# Allegro board meta_carrier_lay_rev1.brd (continued)
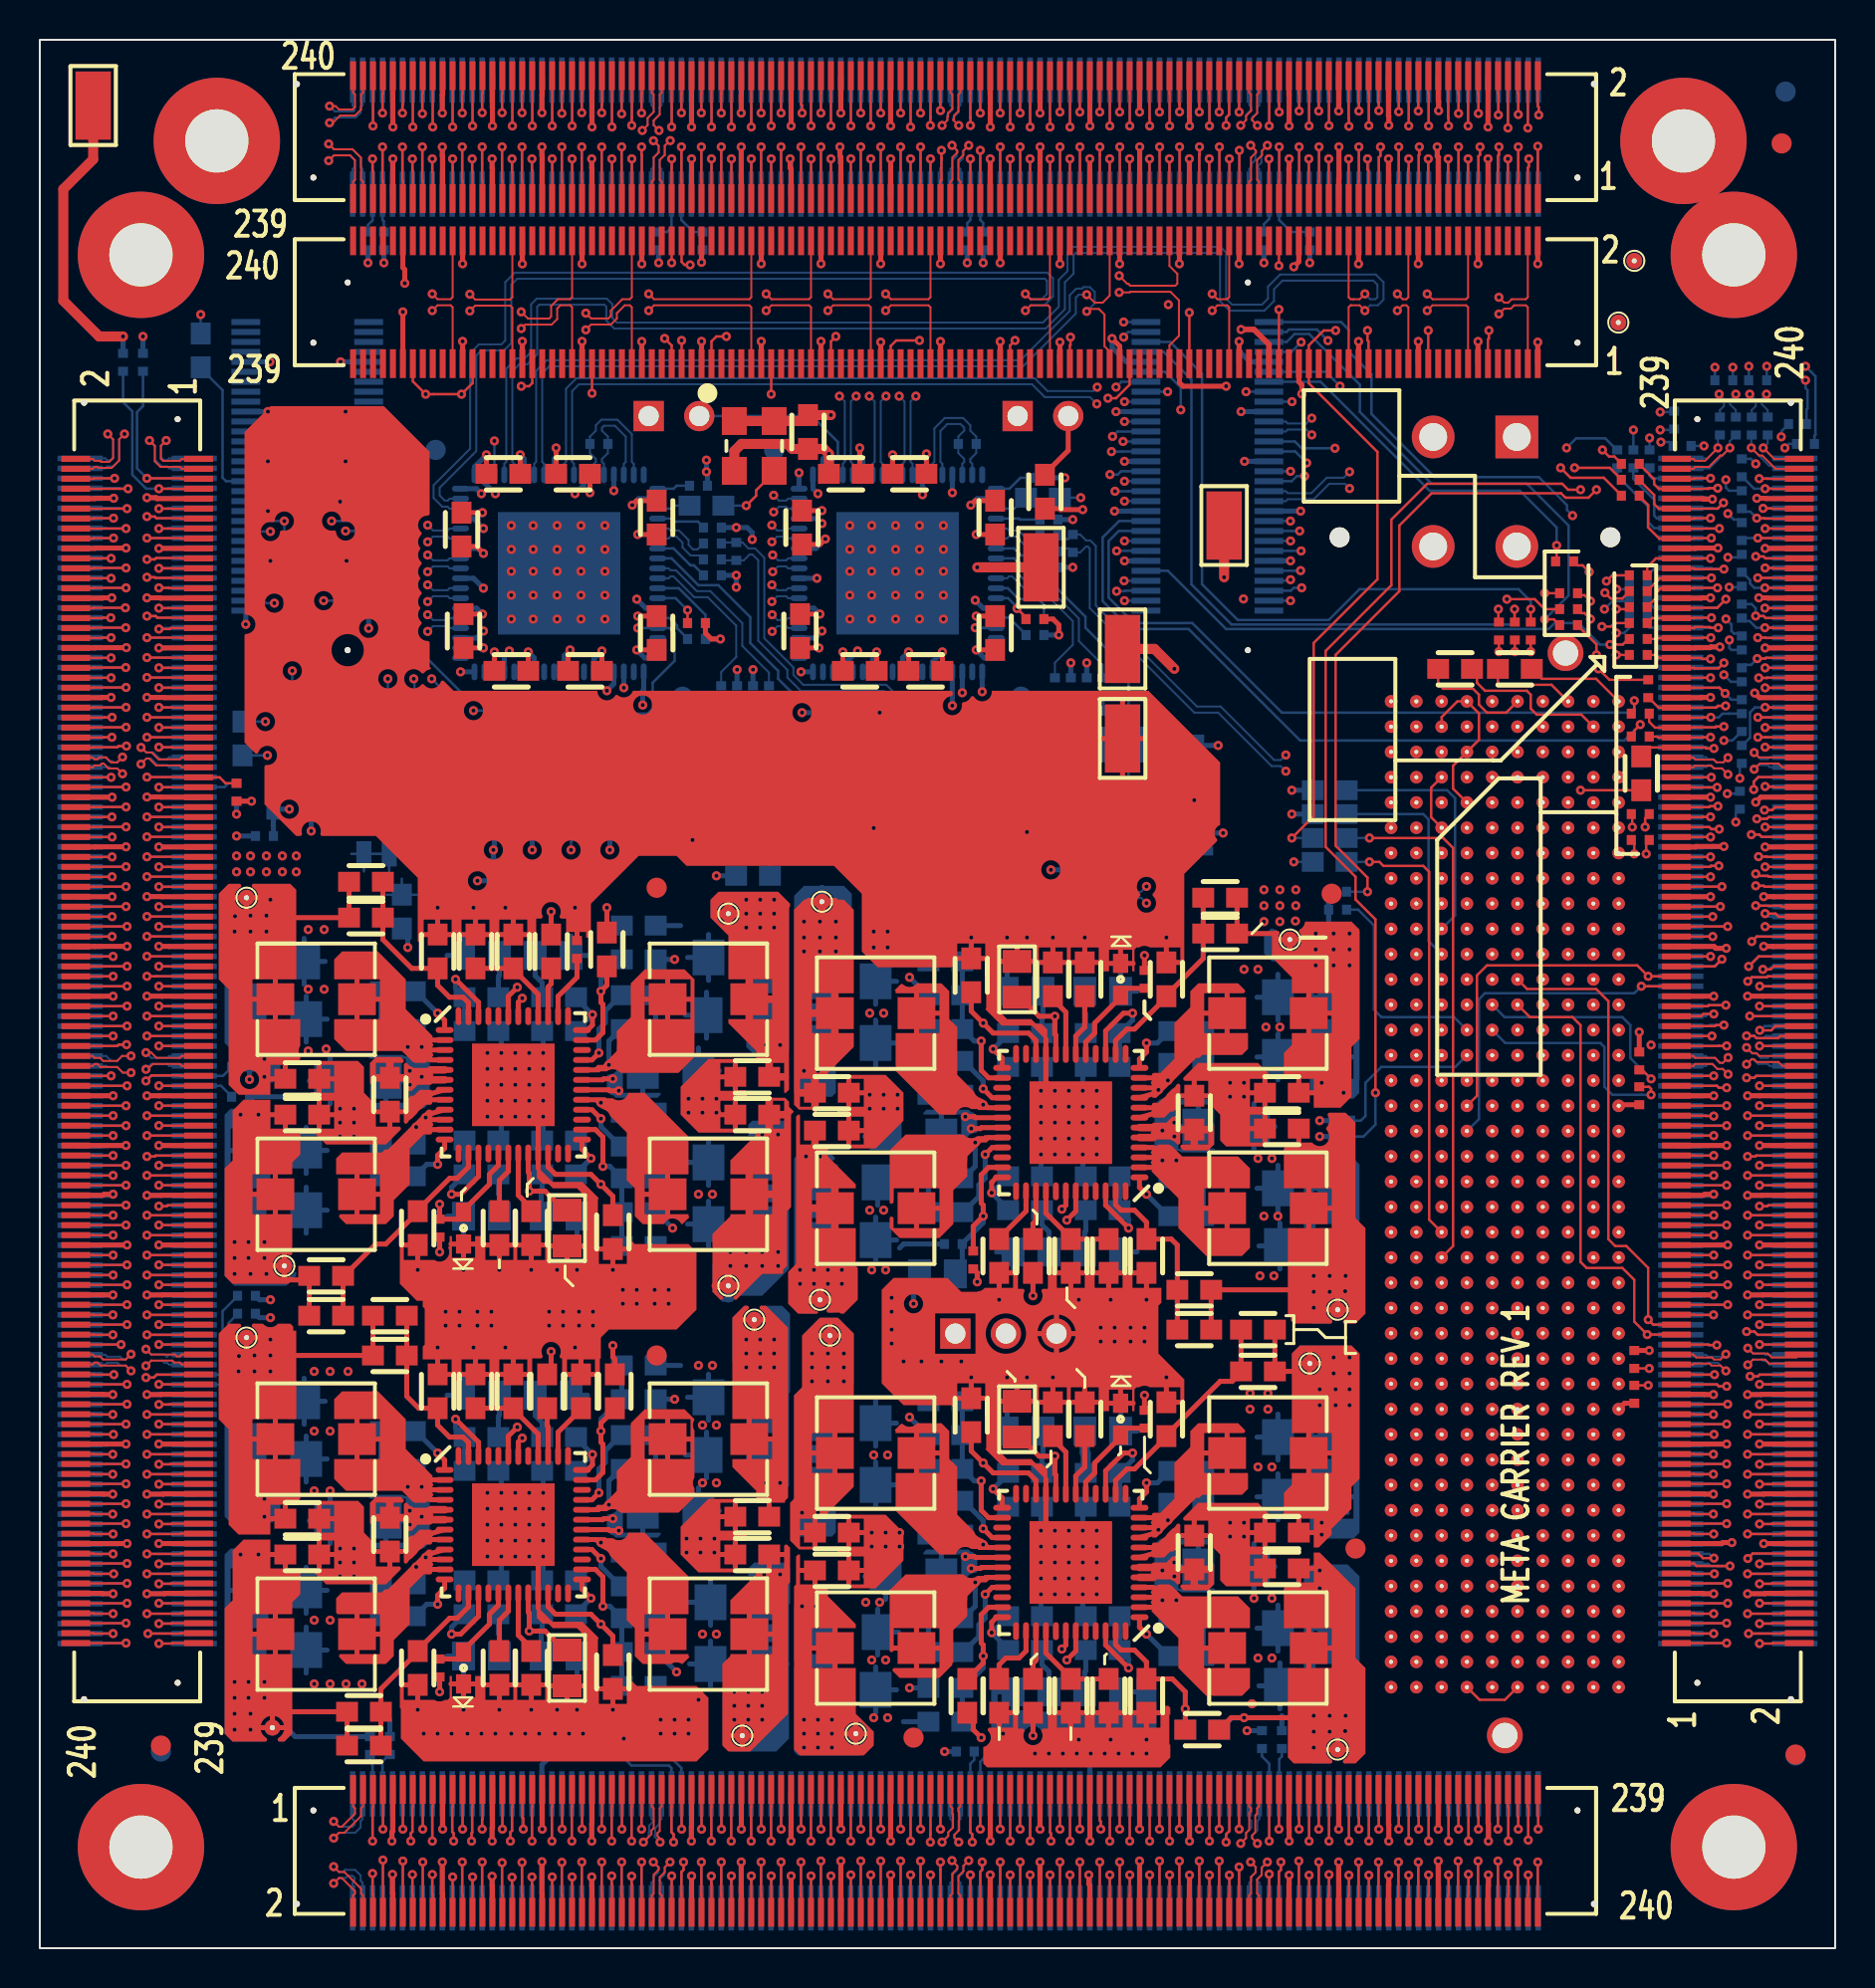
[diagram p0: board, top side]
## Nets (continued)
N9103313: P1.J39(VIO_B_M2C) R4.2
N9103357: P1.K40(VIO_B_M2C) R2.2
N9135133: R18.2 U3.38(I2CADDR)
N9393424: C113.2 R80.1 R81.1 U3.26(VFB3)
N9393624: C119.2 R22.1 R79.1 U3.35(VFB4)
N9396494: R8.2 U2.38(I2CADDR)
N9396754: C22.2 R99.1 R100.1 U2.35(VFB4)
N9397654: R37.2 U5.38(I2CADDR)
N9398753: R31.2 U4.38(I2CADDR)
N9406213: J14.28 R142.2
N9407357: P1.C18(LA14_P) R48.2
N9411664: P1.C31(SDA) R46.2
N9411668: P1.C30(SCL) R47.2
N9564956: C154.2 R103.1 R104.1 U2.26(VFB3)
N9566934: C55.1 C116.1 C128.1 C129.1 L11.2 R85.2 TP12.1(TP)
N9566986: C116.2 R84.1 R85.1 U5.26(VFB3)
N9567341: C62.1 C67.1 C124.1 C130.1 L15.2 R88.2 TP15.1(TP)
N9567389: C67.2 R88.1 R89.1 U5.35(VFB4)
N9567588: C60.1 C133.1 C134.1 C157.1 L14.2 R109.2 TP16.1(TP)
N9567636: C157.2 R109.1 R110.1 U4.26(VFB3)
N9567837: C48.1 C53.1 C139.1 C141.1 L10.2 R106.2 TP11.1(TP)
N9567885: C48.2 R105.1 R106.1 U4.35(VFB4)
N9607504: P1.C19(LA14_N) R49.2
N9610290: R125.2 U12.5 U12.6 U12.7 U12.8
N90768711: J8.3(03) R158.2
N90768712: J8.5(05) R150.2
N90768713: J8.7(07) R152.2
N90768714: J8.9(09) R159.2
N90768716: J8.13 R147.2
N90768717: J8.15 R154.2
N90768718: J8.17 R155.2
N90768719: J8.19 R157.2
N93844651: R119.2 U11.3(D)
N93890641: R134.2 U13.3(D)
N96073781: R114.2 U9.3(D)
N907687111: J8.23 R162.2
N907687112: J8.25 R164.2
N907687113: J8.27 R166.2
N907687114: J8.29 R168.2
N907687116: J8.33 R170.2
N907687117: J8.35 R172.2
N907687118: J8.37 R173.2
N907687119: J8.39 R176.2
N907687121: J8.43 R178.2
N907687122: J8.45 R180.2
N907687123: J8.47 R182.2
N907687124: J8.49 R184.2
N907687126: J8.53 R186.2
N907687127: J8.55 R188.2
N907687128: J8.57 R190.2
N907687129: J8.59 R192.2
N907687131: J8.4(04) R145.1
N907687132: J8.6(06) R146.1
N907687133: J8.8(08) R151.1
N907687134: J8.10 R153.1
N907687136: J8.14 R160.1
N907687137: J8.16 R148.1
N907687138: J8.18 R149.1
N907687139: J8.20 R156.1
N907687141: J8.24 R161.1
N907687142: J8.26 R163.1
N907687143: J8.28 R165.1
N907687144: J8.30 R167.1
N907687146: J8.34 R169.1
N907687147: J8.36 R171.1
N907687148: J8.38 R174.1
N907687149: J8.40 R175.1
N907687151: J8.44 R177.1
N907687152: J8.46 R179.1
N907687153: J8.48 R181.1
N907687154: J8.50 R183.1
N907687156: J8.54 R185.1
N907687157: J8.56 R187.1
N907687158: J8.58 R189.1
N907687159: J8.60 R191.1

Pads without a net: J2 56 57 58 59 60 113 114 115 116 117 118 119 120 177 178 179 180 233 234 235 236 237 238 239 240; J8 1 2; J14 5 6 7 8 10 23 24 25 26 27 29 30 33 34 35 36 37 38 39 40 43 44 45 46 47 48 49 50 53 54 55 56 57 58 59 60; P1 A2 A3 A6 A7 A10 A11 A14 A15 A18 A19 A22 A23 A26 A27 A30 A31 A34 A35 A38 A39 B1 B4 B5 B8 B9 B12 B13 B16 B17 B20 B21 B24 B25 B28 B29 B32 B33 B36 B37 B40 C2 C3 C6 C7 C34 D4 D5 D17 D18 D29 D30 D31 D33 D34 D35 E12 E13 E15 E16 E18 E19 E30 E31 E33 E34 E36 E37 F13 F14 F16 F17 F19 F20 F31 F32 F34 F35 F37 F38 G2 G3 G30 G31 G33 G34 G36 G37 H4 H5 H19 H20 H34 H35 H37 H38 J2 J3 J15 J16 J18 J19 J21 J22 J33 J34 J36 J37 K4 K5 K16 K17 K19 K20 K22 K23 K34 K35 K37 K38; U2 13 16 23 24 27 34 37 41 44 45 48; U3 13 16 23 24 27 34 37 41 44 45 48; U4 13 16 23 24 27 34 37 41 44 45 48; U5 13 16 23 24 27 34 37 41 44 45 48; U7 16 17 20 23 25 26 28 29 31 32 34 35 37 38 72; U10 16 17 20 23 25 26 28 29 31 32 34 35 37 38 72

## Via types
v1: diameter 0.46, hole 0.203, TOP to BOTTOM, 2055 vias

## Routing (per net, layer and track width the routed paths; a pad name or vN(x,y) marks a point on that pad's centre or on a via; arc(x,y) is an arc through that point)
GND: length 3212.5
  TOP w0.254: J2.145 v1(39.23,80.73) ; v1(52.74,5.38) 52.74,6.09 52.73,6.1 J5.149 ; J5.69 32.73,6.11 32.72,6.1 v1(32.72,5.38) ; 28.78,12.23 C66.2 ; C66.2 29.53,13.03 ; C66.2 27.73,13.03 ; 62.73,87.91 62.73,89.43 62.75,89.45 v1(62.75,89.91) ; U3.7 55.93,41.93 ; TP19.1 55.52,60.78 ; TP19.1 54.38,62.75 ; TP19.1 54.38,58.81 ; TP19.1 53.24,60.78 ; C54.2 14.83,21.58 ; C54.2 14.03,20.83 ; C54.2 14.03,22.33 ; J5.50 27.73,3.11 27.72,3.12 v1(27.72,3.58) ; J5.70 v1(32.73,3.63) ; J3.229 6.28,17.83 6.26,17.81 v1(5.38,17.81) ; J3.10 2.76,72.83 2.78,72.85 v1(3.71,72.85) ; C23.2 22.63,50.93 ; C23.2 21.88,51.73 ; C23.2 21.13,50.93 ; C57.2 18.33,19.93 ; C57.2 17.58,19.13 ; C57.2 16.83,19.93 ; v1(67.75,3.66) 67.75,3.21 67.73,3.19 J5.210 ; 23.08,34.53 C38.2 ; C38.2 22.33,35.33 ; C38.2 23.83,35.33 ; C13.2 v1(39.13,65.33) ; C47.2 22.63,28.83 ; C47.2 21.13,28.83 ; C47.2 21.88,29.63 ; J1.232 v1(17.73,91.5) ; 48.18,11.03 R37.1 48.93,11.83 ; v1(57.74,5.38) 57.74,6.15 57.73,6.16 J5.169 ; 55.58,11.03 R40.2 ; R40.2 54.83,11.83 ; R40.2 56.33,11.83 ; C30.2 40.63,43.73 ; C30.2 40.63,42.23 ; C30.2 41.43,42.98 ; J2.194 v1(27.23,84.63) ; 19.63,42.93 U2.7 ; J4.132 86.53,47.83 86.52,47.83 v1(85.77,47.83) ; 17.73,87.91 v1(17.73,89.91) ; v1(84.07,37.88) 83.61,37.88 83.56,37.83 J4.91 ; 51.06,29.87 J10.3 ; J10.3 50.05,30.88 ; J10.3 51.06,31.89 ; J10.3 52.07,30.88 ; J2.86 v1(54.23,84.63) ; J2.74 v1(57.23,84.63) ; J5.89 37.73,6.15 37.73,6.14 v1(37.73,5.38) ; R20.1 52.53,33.93 ; R20.1 51.78,33.13 ; R20.1 51.03,33.93 ; J5.190 62.73,3.2 62.75,3.21 v1(62.75,3.67) ; J5.110 v1(42.73,3.68) ; J5.229 72.73,6.28 72.75,6.26 v1(72.75,5.38) ; J3.49 6.27,62.83 6.25,62.84 v1(5.38,62.84) ; J3.190 3.2,27.83 3.21,27.82 v1(3.67,27.82) ; J2.73 57.23,78.66 57.41,78.48 v1(59.58,78.48) ; J5.30 22.73,3.14 22.72,3.16 v1(22.72,3.61) ; J2.181 v1(30.23,80.73) ; C58.2 58.73,20.73 ; C58.2 57.23,20.73 ; C58.2 57.98,21.53 ; 26.43,28.83 R31.1 ; R31.1 27.18,29.63 ; R31.1 27.93,28.83 ; C55.2 40.63,21.63 ; C55.2 40.63,20.13 ; C55.2 41.43,20.88 ; C50.2 49.08,28.31 ; C50.2 50.06,27.48 ; C50.2 48.1,27.48 ; C9.2 v1(22.23,72.13) ; 25.5,13.18 C65.2 ; C65.2 26.48,12.35 ; C65.2 27.46,13.18 ; C27.2 52.48,50.33 ; C27.2 53.23,49.53 ; C27.2 51.73,49.53 ; C24.2 47.53,49.73 ; C24.2 46.78,50.53 ; C24.2 46.03,49.73 ; J2.193 v1(27.23,80.73) ; 61.53,18.33 C61.2 ; C61.2 60.73,19.08 ; C61.2 61.53,19.83 ; J1.32 67.73,92.06 67.75,92.05 v1(67.75,91.59) ; v1(37.68,89.91) 37.68,89.45 37.73,89.4 37.73,87.91 ; J2.217 v1(21.23,80.73) ; 20.65,13.28 CR4.1 ; CR4.1 21.91,13.28 ; CR4.1 21.28,12.55 ; 61.53,40.43 C36.2 ; C36.2 61.53,41.93 ; C36.2 60.73,41.18 ; v1(18.23,82.21) J2.229 ; J4.171 v1(83.91,57.83) ; 42.73,87.91 v1(42.73,89.91) ; v1(47.73,91.5) 47.73,93.13 47.73,93.13 J1.112 ; J2.170 v1(33.23,84.7) ; J5.209 67.73,6.22 67.75,6.2 v1(67.75,5.38) ; J5.49 27.73,6.27 27.72,6.25 v1(27.72,5.38) ; P1.K12 79.59,27.38 R32.1 ; J2.146 v1(39.23,84.63) ; 56.58,28.23 R34.2 57.33,27.43 ; 16.83,42.03 C32.2 ; C32.2 17.58,41.23 ; C32.2 18.33,42.03 ; J3.230 3.13,17.83 3.15,17.81 v1(3.68,17.81) ; R15.1 79.35,42.38 P1.K24 ; J3.30 3.14,67.83 3.16,67.85 v1(3.61,67.85) ; C18.2 v1(40.33,65.13) ; v1(62.75,5.38) 62.75,6.07 62.73,6.09 J5.189 ; CR1.1 54.28,50.21 ; CR1.1 53.65,49.48 ; CR1.1 54.91,49.48 ; J2.50 63.23,84.73 v1(62.98,84.48) ; R10.1 23.78,51.73 ; R10.1 23.03,50.93 ; R10.1 24.53,50.93 ; v1(3.68,37.88) 3.22,37.88 3.17,37.83 J3.150 ; v1(84.06,32.82) 83.6,32.82 83.59,32.83 J4.71 ; C15.2 v1(47.03,66.93) ; v1(47.73,5.38) 47.73,5.99 47.73,5.99 J5.129 ; J3.129 5.99,42.83 5.99,42.83 v1(5.38,42.83) ; C37.2 41.43,41.08 ; C37.2 40.63,40.33 ; C37.2 40.63,41.83 ; 52.93,33.93 C42.2 ; C42.2 54.43,33.93 ; C42.2 53.68,33.13 ; v1(42.73,5.38) 42.73,6.14 42.73,6.14 J5.109 ; v1(27.72,89.91) 27.72,89.45 27.73,89.43 27.73,87.91 ; C64.2 25.43,13.23 ; C64.2 23.93,13.23 ; C64.2 24.68,12.43 ; J5.170 57.73,3.2 57.74,3.21 v1(57.74,3.67) ; C14.2 v1(30.03,66.93) ; 14.03,41.13 C34.2 ; C34.2 14.83,41.88 ; C34.2 14.03,42.63 ; J5.10 17.73,2.76 17.71,2.78 v1(17.71,3.71) ; 22.33,13.23 C63.2 ; C63.2 23.08,12.43 ; C63.2 23.83,13.23 ; v1(32.73,89.91) 32.73,87.91 ; 18.98,34.53 R16.2 18.23,35.33 ; v1(24.58,19.68) 25.03,19.23 U4.21 25.03,17.13 ; 69.23,79.61 v1(69.23,80.73) ; J3.89 6.15,52.83 6.14,52.84 v1(5.38,52.84) ; 19.63,42.63 U2.8 ; J4.12 86.67,17.83 86.65,17.81 v1(85.77,17.81) ; C19.2 v1(45.33,65.13) ; 51.78,11.03 R39.1 ; R39.1 51.03,11.83 ; R39.1 52.53,11.83 ; 14.03,42.93 C29.2 ; C29.2 14.83,43.68 ; C29.2 14.03,44.43 ; J2.206 v1(24.23,84.63) ; J4.11 83.52,17.83 83.54,17.81 v1(84.07,17.81) ; v1(3.67,32.82) 3.21,32.82 3.2,32.83 J3.170 ; J4.51 83.59,27.83 83.6,27.82 v1(84.06,27.82) ; J2.133 v1(42.23,80.69) ; J2.134 v1(42.23,84.63) ; 25.03,39.23 U2.21 25.03,41.33 v1(24.58,41.78) ; v1(22.28,65.33) 22.28,65.33 C12.2 ; v1(85.77,27.82) 86.46,27.82 86.48,27.83 J4.52 ; J1.172 v1(32.73,91.5) ; C5.2 v1(44.53,75.08) ; 34.93,19.03 C60.2 ; C60.2 34.93,20.53 ; C60.2 34.13,19.78 ; 20.65,35.38 CR2.1 ; CR2.1 21.28,34.65 ; CR2.1 21.91,35.38 ; J4.192 86.37,62.83 86.13,63.07 86.13,63.06 v1(86.12,63.06) ; 14.03,19.03 C59.2 ; C59.2 14.83,19.78 ; C59.2 14.03,20.53 ; J4.111 v1(84.07,42.83) ; 50.53,23.53 U5.21 50.53,21.43 v1(50.98,20.98) ; R29.1 23.78,29.63 ; R29.1 24.53,28.83 ; R29.1 23.03,28.83 ; J2.109 v1(48.23,80.73) ; J2.169 v1(33.23,80.73) ; 47.73,87.91 v1(47.73,89.91) ; J1.212 v1(22.73,91.55) ; v1(27.73,91.5) J1.192 ; 46.03,27.63 C49.2 ; C49.2 46.78,28.43 ; C49.2 47.83,27.63 ; 25.5,35.28 C40.2 ; C40.2 27.46,35.28 ; C40.2 26.48,34.45 ; C62.2 40.63,19.73 ; C62.2 40.63,18.23 ; C62.2 41.43,18.98 ; J3.110 v1(3.68,47.83) ; J4.131 v1(84.07,47.83) ; J2.13 v1(72.23,80.73) ; J3.210 3.19,22.83 3.21,22.81 v1(3.66,22.81) ; C26.2 51.63,49.53 ; C26.2 50.88,50.33 ; C26.2 50.13,49.53 ; J2.157 v1(36.23,80.73) ; 53.65,27.38 CR3.1 ; CR3.1 54.91,27.38 ; CR3.1 54.28,28.11 ; J5.90 v1(37.73,3.63) ; v1(86.23,72.85) 86.69,72.85 86.71,72.83 J4.232 ; J2.182 v1(30.23,84.63) ; J1.152 v1(37.73,91.55) ; J4.112 86.38,42.83 86.38,42.83 v1(85.77,42.83) ; 52.93,11.83 C68.2 ; C68.2 53.68,11.03 ; C68.2 54.43,11.83 ; 48.93,33.93 R18.1 48.18,33.13 ; v1(52.68,3.68) 52.68,3.22 52.73,3.17 J5.150 ; J2.218 v1(21.23,84.63) ; J5.9 17.73,5.89 17.68,5.84 v1(17.68,5.38) ; J1.92 52.73,92.02 52.74,92.01 v1(52.74,91.55) ; 48.1,49.58 C25.2 ; C25.2 49.08,50.41 ; C25.2 50.06,49.58 ; J1.132 42.73,93.13 42.73,93.13 v1(42.73,91.55) ; R9.2 20.73,50.93 ; R9.2 19.23,50.93 ; R9.2 19.98,51.73 ; 24.68,34.53 C39.2 ; C39.2 23.93,35.33 ; C39.2 25.43,35.33 ; v1(57.74,91.55) 57.74,92.01 57.73,92.02 J1.72 ; 27.73,35.13 C41.2 ; C41.2 28.78,34.33 ; C41.2 29.53,35.13 ; J2.97 51.23,79.63 51.22,79.64 51.22,80.02 51.23,80.03 v1(51.23,80.69) ; 55.58,33.13 R21.2 54.83,33.93 ; 19.98,29.63 R28.2 20.73,28.83 ; v1(57.73,89.91) 57.73,87.91 ; J2.38 v1(66.23,84.63) ; J2.121 v1(45.23,80.73) ; C16.2 v1(22.83,65.13) ; v1(85.77,22.81) 86.59,22.81 86.61,22.83 J4.32 ; J2.61 v1(60.23,80.73) ; C52.2 53.23,27.43 ; C52.2 52.48,28.23 ; C52.2 51.73,27.43 ; C10.2 50.89,66.78 51.18,66.49 v1(51.18,65.98) ; J2.230 18.23,84.44 18.33,84.34 v1(18.33,83.65) ; J2.122 v1(45.23,84.63) ; J4.211 83.44,67.83 83.45,67.85 v1(83.91,67.85) ; J2.62 v1(60.23,84.63) ; v1(5.38,37.82) 6.09,37.82 6.1,37.83 J3.149 ; C17.2 v1(28.23,65.18) ; J3.130 v1(3.68,42.83) ; C6.2 v1(30.03,71.03) ; J3.90 v1(3.63,52.83) ; C35.2 34.93,42.63 ; C35.2 34.93,41.13 ; C35.2 34.13,41.88 ; J3.70 v1(3.63,57.83) ; v1(84,72.8) 83.55,72.8 83.52,72.83 J4.231 ; J2.98 v1(51.23,84.63) ; J2.2 v1(75.23,84.63) ; v1(53.85,80.88) 54.23,80.49 J2.85 ; 57.33,49.53 R13.2 56.58,50.33 ; C51.2 50.88,28.23 ; C51.2 50.13,27.43 ; C51.2 51.63,27.43 ; v1(5.38,22.81) 6.2,22.81 6.22,22.83 J3.209 ; J2.14 v1(72.23,84.63) ; C28.2 34.93,44.53 ; C28.2 34.93,43.03 ; C28.2 34.13,43.78 ; J3.9 5.89,72.83 5.84,72.88 v1(5.38,72.88) ; v1(86.18,57.58) 86.43,57.83 J4.172 ; J4.212 86.81,67.83 86.79,67.85 v1(86.33,67.85) ; 67.73,87.91 v1(67.73,89.91) ; 60.73,42.98 C31.2 ; C31.2 61.53,43.73 ; C31.2 61.53,42.23 ; J2.37 v1(66.23,80.73) ; C33.2 57.98,43.63 ; C33.2 58.73,42.83 ; C33.2 57.23,42.83 ; 22.73,87.91 22.73,89.43 22.72,89.45 v1(22.72,89.91) ; C56.2 61.53,21.63 ; C56.2 61.53,20.13 ; C56.2 60.73,20.88 ; J2.110 v1(48.23,84.68) ; v1(34.18,65.78) 33.72,65.78 33.43,66.07 C11.2 ; J4.191 83.44,62.83 83.45,62.84 v1(83.91,62.84) ; v1(84.05,22.81) 83.6,22.81 83.58,22.83 J4.31 ; v1(72.75,3.68) 72.75,3.15 72.73,3.13 J5.230 ; U3.8 55.93,42.23 ; v1(85.77,32.82) 86.54,32.82 86.55,32.83 J4.72 ; 69.23,85.78 v1(69.23,84.63) ; 52.73,87.91 v1(52.73,89.91) ; 50.53,45.63 U3.21 50.53,43.53 v1(50.98,43.08) ; J4.152 87.09,52.83 87.08,52.83 v1(86.58,52.83) ; J5.130 v1(47.73,3.68) ; v1(22.72,5.38) 22.72,6.05 22.73,6.07 J5.29 ; J3.69 6.11,57.83 6.1,57.84 v1(5.38,57.84) ; v1(85.77,37.82) 86.48,37.82 86.49,37.83 J4.92 ; U5.8 55.93,20.13 ; v1(5.38,32.82) 6.15,32.82 6.16,32.83 J3.169 ; C53.2 34.93,22.43 ; C53.2 34.93,20.93 ; C53.2 34.13,21.68 ; C3.2 v1(27.63,73.13) ; v1(3.58,62.84) 3.12,62.84 3.11,62.83 J3.50 ; R8.1 26.98,51.11 ; v1(5.38,47.83) 6.14,47.83 6.14,47.83 J3.109 ; 18.98,12.43 R35.2 18.23,13.23 ; C2.2 v1(22.43,75.03) ; v1(62.75,91.55) 62.75,93.12 62.73,93.13 J1.52 ; J1.12 v1(72.73,91.5) ; v1(5.38,67.85) 6.05,67.85 6.07,67.83 J3.29 ; J2.205 v1(24.23,80.73) ; U5.7 55.93,19.83 ; J4.151 v1(83.91,52.83) ; J2.1 v1(75.23,80.69) ; 19.63,20.53 U4.8 ; 19.63,20.83 U4.7 ; C8.2 v1(39.28,72.23) ; v1(63.38,78.09) 63.38,78.55 63.35,78.59 63.35,78.59 63.23,78.7 J2.49 ; J2.158 v1(36.23,84.63) ; v1(5.38,27.82) 6.07,27.82 6.09,27.83 J3.189 ; C7.2 v1(47.03,71.03) ; v1(72.73,89.91) 72.73,87.91
  TOP w0.508: TP20.1 2.68,89.88 1.18,88.38 1.18,82.78 2.98,80.98 v1(4.18,80.98) ; C4.2 v1(39.63,75.08) 39.38,75.33 C1.2 37.79,75.33 37.54,75.58 35.24,75.58 34.88,75.22 U1.2
  GND_L2 w0.254: P1.A13 68.43,28.35 ; P1.A13 67.86,27.79 ; P1.A13 67.86,28.92 ; P1.A13 67.3,28.35 ; 69.84,52.48 P1.C32 ; P1.C32 70.41,53.05 ; P1.C32 70.97,52.48 ; P1.C32 70.41,51.92 ; 74.92,22.01 P1.G8 ; P1.G8 75.48,21.44 ; P1.G8 75.48,22.57 ; P1.G8 76.05,22.01 ; 78.02,21.44 P1.J8 ; P1.J8 78.02,22.57 ; P1.J8 78.59,22.01 ; P1.J8 77.46,22.01 ; 74.92,60.1 P1.G38 ; P1.G38 75.48,60.67 ; P1.G38 75.48,59.54 ; P1.G38 76.05,60.1 ; 69.14,30.9 69.7,30.9 ; 69.14,30.9 69.14,31.46 ; 69.14,30.9 69.14,30.33 ; 69.14,30.9 68.57,30.9 ; 72.94,36.68 P1.E20 ; P1.E20 72.94,37.81 ; P1.E20 73.51,37.24 ; P1.E20 72.38,37.24 ; 73.65,53.75 P1.F33 ; P1.F33 74.78,53.75 ; P1.F33 74.22,53.19 ; P1.F33 74.22,54.32 ; P1.E40 73.51,62.64 ; P1.E40 72.94,62.08 ; P1.E40 72.38,62.64 ; P1.E40 72.94,63.21 ; 72.94,51.92 P1.E32 ; P1.E32 73.51,52.48 ; P1.E32 72.38,52.48 ; P1.E32 72.94,53.05 ; 67.86,18.2 67.86,18.76 ; 67.86,18.2 67.86,17.63 ; 67.86,18.2 68.43,18.2 ; 67.86,18.2 67.3,18.2 ; 71.67,35.98 71.67,36.54 ; 71.67,35.98 71.11,35.98 ; 71.67,35.98 72.24,35.98 ; 71.67,35.98 71.67,35.41 ; 70.41,31.6 P1.C16 ; P1.C16 70.41,32.73 ; P1.C16 70.97,32.16 ; P1.C16 69.84,32.16 ; P1.G11 76.05,25.81 ; P1.G11 74.92,25.81 ; P1.G11 75.48,25.25 ; P1.G11 75.48,26.38 ; 75.48,41.05 76.05,41.05 ; 75.48,41.05 75.48,40.49 ; 75.48,41.05 75.48,41.62 ; 75.48,41.05 74.92,41.05 ; P1.A4 67.86,17.49 ; P1.A4 67.3,16.93 ; P1.A4 68.43,16.93 ; P1.A4 67.86,16.36 ; 72.38,25.81 P1.E11 ; P1.E11 72.94,26.38 ; P1.E11 72.94,25.25 ; P1.E11 73.51,25.81 ; 72.94,44.3 P1.E26 ; P1.E26 72.94,45.43 ; P1.E26 73.51,44.86 ; P1.E26 72.38,44.86 ; P1.J29 78.59,48.67 ; P1.J29 78.02,49.24 ; P1.J29 77.46,48.67 ; P1.J29 78.02,48.11 ; 71.67,15.09 71.67,15.65 ; 71.67,15.65 72.24,15.65 ; 71.67,15.65 71.67,16.22 ; 71.67,15.65 71.11,15.65 ; P1.F27 74.22,46.7 ; P1.F27 73.65,46.13 ; P1.F27 74.78,46.13 ; P1.F27 74.22,45.57 ; 79.3,41.76 P1.K24 ; P1.K24 79.86,42.32 ; P1.K24 79.3,42.89 ; P1.K24 78.73,42.32 ; 68.57,49.95 P1.B30 ; P1.B30 69.7,49.95 ; P1.B30 69.14,49.38 ; P1.B30 69.14,50.51 ; P1.F18 74.78,34.7 ; P1.F18 73.65,34.7 ; P1.F18 74.22,35.27 ; P1.F18 74.22,34.14 ; P1.A32 68.43,52.48 ; P1.A32 67.86,53.05 ; P1.A32 67.3,52.48 ; P1.A32 67.86,51.92 ; 78.02,40.49 78.02,41.05 ; 78.02,41.05 78.59,41.05 ; 78.02,41.05 78.02,41.62 ; 78.02,41.05 77.46,41.05 ; 74.22,60.81 P1.F39 ; P1.F39 74.78,61.38 ; P1.F39 73.65,61.38 ; P1.F39 74.22,61.94 ; P1.B39 69.14,61.94 ; P1.B39 69.14,60.81 ; P1.B39 69.7,61.38 ; P1.B39 68.57,61.38 ; P1.D16 71.67,32.73 ; P1.D16 71.67,31.6 ; P1.D16 72.24,32.16 ; P1.D16 71.11,32.16 ; 49.11,75.97 J9.1 ; J9.1 49.11,77.99 ; J9.1 50.12,76.98 ; J9.1 48.1,76.98 ; 78.73,14.38 P1.K2 ; P1.K2 79.3,13.82 ; P1.K2 79.86,14.38 ; P1.K2 79.3,14.95 ; P1.A12 68.43,27.09 ; P1.A12 67.3,27.09 ; P1.A12 67.86,26.52 ; P1.A12 67.86,27.65 ; P1.F24 74.78,42.32 ; P1.F24 74.22,42.89 ; P1.F24 74.22,41.76 ; P1.F24 73.65,42.32 ; P1.D13 72.24,28.35 ; P1.D13 71.11,28.35 ; P1.D13 71.67,28.92 ; P1.D13 71.67,27.79 ; 69.84,23.27 70.41,23.27 ; 70.41,23.27 70.97,23.27 ; 70.41,23.27 70.41,22.71 ; 70.41,23.27 70.41,23.84 ; 69.84,16.93 P1.C4 ; P1.C4 70.97,16.93 ; P1.C4 70.41,16.36 ; P1.C4 70.41,17.49 ; P1.B31 69.14,51.78 ; P1.B31 69.7,51.21 ; P1.B31 69.14,50.65 ; P1.B31 68.57,51.21 ; P1.A25 68.43,43.59 ; P1.A25 67.86,43.03 ; P1.A25 67.86,44.16 ; P1.A25 67.3,43.59 ; 69.14,34.14 P1.B18 ; P1.B18 68.57,34.7 ; P1.B18 69.7,34.7 ; P1.B18 69.14,35.27 ; P1.C28 70.97,47.41 ; P1.C28 70.41,46.84 ; P1.C28 70.41,47.97 ; P1.C28 69.84,47.41 ; 78.02,18.2 78.59,18.2 ; 78.02,18.2 77.46,18.2 ; 78.02,18.2 78.02,18.76 ; 78.02,18.2 78.02,17.63 ; 74.22,30.33 74.22,30.9 ; 74.22,30.9 74.22,31.46 ; 74.22,30.9 74.78,30.9 ; 74.22,30.9 73.65,30.9 ; 67.86,58.84 67.86,59.4 ; 67.86,58.84 67.3,58.84 ; 67.86,58.84 68.43,58.84 ; 67.86,58.84 67.86,58.27 ; 67.86,53.19 P1.A33 ; P1.A33 68.43,53.75 ; P1.A33 67.86,54.32 ; P1.A33 67.3,53.75 ; P1.J40 78.59,62.64 ; P1.J40 78.02,62.08 ; P1.J40 77.46,62.64 ; P1.J40 78.02,63.21 ; 72.94,40.49 72.94,41.05 ; 72.94,41.05 72.38,41.05 ; 72.94,41.05 73.51,41.05 ; 72.94,41.05 72.94,41.62 ; 67.86,22.71 67.86,23.27 ; 67.86,23.27 67.3,23.27 ; 67.86,23.27 67.86,23.84 ; 67.86,23.27 68.43,23.27 ; 75.48,36.68 P1.G20 ; P1.G20 76.05,37.24 ; P1.G20 74.92,37.24 ; P1.G20 75.48,37.81 ; 71.11,19.46 P1.D6 ; P1.D6 71.67,18.9 ; P1.D6 71.67,20.03 ; P1.D6 72.24,19.46 ; 78.02,51.92 P1.J32 ; P1.J32 78.02,53.05 ; P1.J32 77.46,52.48 ; P1.J32 78.59,52.48 ; 77.46,56.3 78.02,56.3 ; 78.02,56.3 78.02,56.86 ; 78.02,56.3 78.59,56.3 ; 78.02,56.3 78.02,55.73 ; 75.48,51.92 P1.G32 ; P1.G32 74.92,52.48 ; P1.G32 75.48,53.05 ; P1.G32 76.05,52.48 ; P1.C24 70.97,42.32 ; P1.C24 69.84,42.32 ; P1.C24 70.41,41.76 ; P1.C24 70.41,42.89 ; P1.B6 69.14,20.03 ; P1.B6 69.14,18.9 ; P1.B6 68.57,19.46 ; P1.B6 69.7,19.46 ; 67.86,31.6 P1.A16 ; P1.A16 68.43,32.16 ; P1.A16 67.86,32.73 ; P1.A16 67.3,32.16 ; P1.F2 74.78,14.38 ; P1.F2 74.22,14.95 ; P1.F2 74.22,13.82 ; P1.F2 73.65,14.38 ; 72.38,22.01 P1.E8 ; P1.E8 72.94,21.44 ; P1.E8 72.94,22.57 ; P1.E8 73.51,22.01 ; 71.67,58.27 71.67,58.84 ; 71.67,58.84 71.67,59.4 ; 71.67,58.84 72.24,58.84 ; 71.67,58.84 71.11,58.84 ; P1.C20 70.41,37.81 ; P1.C20 69.84,37.24 ; P1.C20 70.41,36.68 ; P1.C20 70.97,37.24 ; 68.57,41.05 69.14,41.05 ; 69.14,41.05 69.14,41.62 ; 69.14,41.05 69.7,41.05 ; 69.14,41.05 69.14,40.49 ; 79.3,23.27 79.3,23.84 ; 79.3,23.27 79.86,23.27 ; 79.3,23.27 78.73,23.27 ; 79.3,23.27 79.3,22.71 ; 75.48,55.73 75.48,56.3 ; 75.48,56.3 74.92,56.3 ; 75.48,56.3 76.05,56.3 ; 75.48,56.3 75.48,56.86 ; P1.F36 74.78,57.56 ; P1.F36 74.22,57 ; P1.F36 73.65,57.56 ; P1.F36 74.22,58.13 ; 69.84,33.44 70.41,33.44 ; 70.41,33.44 70.97,33.44 ; 70.41,33.44 70.41,32.87 ; 70.41,33.44 70.41,34 ; 76.75,30.9 77.32,30.9 ; 76.75,30.9 76.75,31.46 ; 76.75,30.9 76.19,30.9 ; 76.75,30.9 76.75,30.33 ; 75.48,18.2 76.05,18.2 ; 75.48,18.2 75.48,17.63 ; 75.48,18.2 75.48,18.76 ; 75.48,18.2 74.92,18.2 ; 76.19,14.38 P1.H2 ; P1.H2 76.75,13.82 ; P1.H2 76.75,14.95 ; P1.H2 77.32,14.38 ; P1.E29 72.94,49.24 ; P1.E29 72.94,48.11 ; P1.E29 73.51,48.67 ; P1.E29 72.38,48.67 ; P1.D25 71.67,44.16 ; P1.D25 71.11,43.59 ; P1.D25 71.67,43.03 ; P1.D25 72.24,43.59 ; P1.K39 79.86,61.38 ; P1.K39 78.73,61.38 ; P1.K39 79.3,60.81 ; P1.K39 79.3,61.94 ; P1.J14 78.59,29.62 ; P1.J14 77.46,29.62 ; P1.J14 78.02,30.19 ; P1.J14 78.02,29.06 ; P1.B11 69.14,26.38 ; P1.B11 68.57,25.81 ; P1.B11 69.14,25.25 ; P1.B11 69.7,25.81 ; 69.14,59.54 P1.B38 ; P1.B38 68.57,60.1 ; P1.B38 69.7,60.1 ; P1.B38 69.14,60.67 ; 69.14,20.73 69.14,21.3 ; 69.14,20.73 68.57,20.73 ; 69.14,20.73 69.14,20.17 ; 69.14,20.73 69.7,20.73 ; 69.84,18.2 70.41,18.2 ; 70.41,18.2 70.97,18.2 ; 70.41,18.2 70.41,18.76 ; 70.41,18.2 70.41,17.63 ; 74.22,22.71 74.22,23.27 ; 74.22,23.27 74.78,23.27 ; 74.22,23.27 74.22,23.84 ; 74.22,23.27 73.65,23.27 ; P1.F6 74.22,20.03 ; P1.F6 73.65,19.46 ; P1.F6 74.22,18.9 ; P1.F6 74.78,19.46 ; 72.38,33.44 72.94,33.44 ; 72.94,33.44 73.51,33.44 ; 72.94,33.44 72.94,34 ; 72.94,33.44 72.94,32.87 ; 78.73,49.95 P1.K30 ; P1.K30 79.86,49.95 ; P1.K30 79.3,50.51 ; P1.K30 79.3,49.38 ; 72.38,29.62 P1.E14 ; P1.E14 72.94,30.19 ; P1.E14 72.94,29.06 ; P1.E14 73.51,29.62 ; 72.38,18.2 72.94,18.2 ; 72.94,18.2 72.94,17.63 ; 72.94,18.2 73.51,18.2 ; 72.94,18.2 72.94,18.76 ; P1.C40 70.97,62.64 ; P1.C40 70.41,62.08 ; P1.C40 70.41,63.21 ; P1.C40 69.84,62.64 ; 71.11,47.41 P1.D28 ; P1.D28 71.67,47.97 ; P1.D28 71.67,46.84 ; P1.D28 72.24,47.41 ; 79.3,30.9 79.86,30.9 ; 79.3,30.9 79.3,31.46 ; 79.3,30.9 78.73,30.9 ; 79.3,30.9 79.3,30.33 ; 69.84,57.56 P1.C36 ; P1.C36 70.97,57.56 ; P1.C36 70.41,57 ; P1.C36 70.41,58.13 ; 79.3,45.57 P1.K27 ; P1.K27 78.73,46.13 ; P1.K27 79.86,46.13 ; P1.K27 79.3,46.7 ; 79.3,26.52 P1.K12 ; P1.K12 78.73,27.09 ; P1.K12 79.86,27.09 ; P1.K12 79.3,27.65 ; P1.D39 71.67,61.94 ; P1.D39 71.11,61.38 ; P1.D39 72.24,61.38 ; P1.D39 71.67,60.81 ; P1.A36 67.86,58.13 ; P1.A36 67.86,57 ; P1.A36 68.43,57.56 ; P1.A36 67.3,57.56 ; 76.19,19.46 P1.H6 ; P1.H6 76.75,20.03 ; P1.H6 76.75,18.9 ; P1.H6 77.32,19.46 ; 77.46,33.44 78.02,33.44 ; 78.02,33.44 78.02,32.87 ; 78.02,33.44 78.59,33.44 ; 78.02,33.44 78.02,34 ; J10.3 52.07,30.88 ; J10.3 51.06,29.87 ; J10.3 51.06,31.89 ; J10.3 50.05,30.88 ; 69.14,39.22 P1.B22 ; P1.B22 68.57,39.78 ; P1.B22 69.14,40.35 ; P1.B22 69.7,39.78 ; 76.75,38.52 76.75,39.08 ; 76.75,38.52 77.32,38.52 ; 76.75,38.52 76.19,38.52 ; 76.75,38.52 76.75,37.95 ; P1.K36 79.86,57.56 ; P1.K36 79.3,57 ; P1.K36 78.73,57.56 ; P1.K36 79.3,58.13 ; 69.84,43.59 P1.C25 ; P1.C25 70.41,44.16 ; P1.C25 70.41,43.03 ; P1.C25 70.97,43.59 ; 72.38,60.1 P1.E38 ; P1.E38 72.94,60.67 ; P1.E38 72.94,59.54 ; P1.E38 73.51,60.1 ; 76.19,34.7 P1.H18 ; P1.H18 76.75,35.27 ; P1.H18 77.32,34.7 ; P1.H18 76.75,34.14 ; 68.57,56.3 69.14,56.3 ; 69.14,56.3 69.14,56.86 ; 69.14,56.3 69.14,55.73 ; 69.14,56.3 69.7,56.3 ; J7.1 74.18,77.26 ; J7.1 75.51,75.93 ; J7.1 74.18,74.6 ; J7.1 72.85,75.93 ; 69.84,60.1 P1.C38 ; P1.C38 70.41,59.54 ; P1.C38 70.97,60.1 ; P1.C38 70.41,60.67 ; 79.3,34.14 P1.K18 ; P1.K18 78.73,34.7 ; P1.K18 79.86,34.7 ; P1.K18 79.3,35.27 ; P1.C8 70.97,22.01 ; P1.C8 70.41,22.57 ; P1.C8 69.84,22.01 ; P1.C8 70.41,21.44 ; 75.48,33.44 76.05,33.44 ; 75.48,33.44 74.92,33.44 ; 75.48,33.44 75.48,32.87 ; 75.48,33.44 75.48,34 ; 76.19,53.75 P1.H33 ; P1.H33 76.75,53.19 ; P1.H33 76.75,54.32 ; P1.H33 77.32,53.75 ; P1.J20 78.59,37.24 ; P1.J20 78.02,37.81 ; P1.J20 77.46,37.24 ; P1.J20 78.02,36.68 ; P1.D2 72.24,14.38 ; P1.D2 71.11,14.38 ; P1.D2 71.67,14.95 ; P1.D2 71.67,13.82 ; 72.94,56.3 72.94,56.86 ; 72.94,56.3 72.94,55.73 ; 72.94,56.3 73.51,56.3 ; 72.94,56.3 72.38,56.3 ; 78.02,59.54 P1.J38 ; P1.J38 77.46,60.1 ; P1.J38 78.02,60.67 ; P1.J38 78.59,60.1 ; 78.73,38.52 79.3,38.52 ; 79.3,38.52 79.3,37.95 ; 79.3,38.52 79.86,38.52 ; 79.3,38.52 79.3,39.08 ; 75.48,29.06 P1.G14 ; P1.G14 74.92,29.62 ; P1.G14 76.05,29.62 ; P1.G14 75.48,30.19 ; 74.22,49.38 P1.F30 ; P1.F30 73.65,49.95 ; P1.F30 74.22,50.51 ; P1.F30 74.78,49.95 ; 70.41,37.95 70.41,38.52 ; 70.41,38.52 69.84,38.52 ; 70.41,38.52 70.41,39.08 ; 70.41,38.52 70.97,38.52 ; 70.41,26.52 P1.C12 ; P1.C12 70.97,27.09 ; P1.C12 70.41,27.65 ; P1.C12 69.84,27.09 ; P1.A24 67.86,42.89 ; P1.A24 68.43,42.32 ; P1.A24 67.86,41.76 ; P1.A24 67.3,42.32 ; 67.86,12.55 67.86,13.12 ; 67.86,13.12 67.3,13.12 ; 67.86,13.12 68.43,13.12 ; 67.86,13.12 67.86,13.68 ; 79.3,18.9 P1.K6 ; P1.K6 79.3,20.03 ; P1.K6 79.86,19.46 ; P1.K6 78.73,19.46 ; 69.84,13.12 70.41,13.12 ; 70.41,13.12 70.97,13.12 ; 70.41,13.12 70.41,13.68 ; 70.41,13.12 70.41,12.55 ; P1.C29 70.97,48.67 ; P1.C29 70.41,49.24 ; P1.C29 70.41,48.11 ; P1.C29 69.84,48.67 ; 67.3,37.24 P1.A20 ; P1.A20 67.86,36.68 ; P1.A20 67.86,37.81 ; P1.A20 68.43,37.24 ; P1.A8 67.86,22.57 ; P1.A8 67.86,21.44 ; P1.A8 67.3,22.01 ; P1.A8 68.43,22.01 ; 79.3,15.09 79.3,15.65 ; 79.3,15.65 78.73,15.65 ; 79.3,15.65 79.86,15.65 ; 79.3,15.65 79.3,16.22 ; 71.11,24.55 P1.D10 ; P1.D10 72.24,24.55 ; P1.D10 71.67,23.98 ; P1.D10 71.67,25.11 ; 77.46,16.93 P1.J4 ; P1.J4 78.59,16.93 ; P1.J4 78.02,17.49 ; P1.J4 78.02,16.36 ; 77.46,25.81 P1.J11 ; P1.J11 78.02,25.25 ; P1.J11 78.59,25.81 ; P1.J11 78.02,26.38 ; 72.38,13.12 72.94,13.12 ; 72.94,13.12 72.94,13.68 ; 72.94,13.12 72.94,12.55 ; 72.94,13.12 73.51,13.12 ; 76.19,42.32 P1.H24 ; P1.H24 76.75,41.76 ; P1.H24 77.32,42.32 ; P1.H24 76.75,42.89 ; P1.B2 69.7,14.38 ; P1.B2 69.14,13.82 ; P1.B2 69.14,14.95 ; P1.B2 68.57,14.38 ; P1.B26 69.14,45.43 ; P1.B26 69.7,44.86 ; P1.B26 69.14,44.3 ; P1.B26 68.57,44.86 ; 74.92,13.12 75.48,13.12 ; 75.48,13.12 75.48,13.68 ; 75.48,13.12 76.05,13.12 ; 75.48,13.12 75.48,12.55 ; P1.C33 70.41,54.32 ; P1.C33 70.41,53.19 ; P1.C33 70.97,53.75 ; P1.C33 69.84,53.75 ; 69.14,15.09 69.14,15.65 ; 69.14,15.65 68.57,15.65 ; 69.14,15.65 69.7,15.65 ; 69.14,15.65 69.14,16.22 ; P1.G29 75.48,49.24 ; P1.G29 76.05,48.67 ; P1.G29 74.92,48.67 ; P1.G29 75.48,48.11 ; 68.57,55.02 P1.B34 ; P1.B34 69.14,54.46 ; P1.B34 69.14,55.59 ; P1.B34 69.7,55.02 ; 67.86,48.11 P1.A29 ; P1.A29 67.3,48.67 ; P1.A29 68.43,48.67 ; P1.A29 67.86,49.24 ; 76.75,60.81 P1.H39 ; P1.H39 77.32,61.38 ; P1.H39 76.75,61.94 ; P1.H39 76.19,61.38 ; P1.B10 69.14,25.11 ; P1.B10 68.57,24.55 ; P1.B10 69.14,23.98 ; P1.B10 69.7,24.55 ; 78.02,13.12 78.59,13.12 ; 78.02,13.12 78.02,13.68 ; 78.02,13.12 78.02,12.55 ; 78.02,13.12 77.46,13.12 ; P1.J26 78.02,45.43 ; P1.J26 77.46,44.86 ; P1.J26 78.59,44.86 ; P1.J26 78.02,44.3 ; 67.3,33.44 67.86,33.44 ; 67.86,33.44 67.86,34 ; 67.86,33.44 67.86,32.87 ; 67.86,33.44 68.43,33.44 ; P1.A40 68.43,62.64 ; P1.A40 67.86,63.21 ; P1.A40 67.86,62.08 ; P1.A40 67.3,62.64 ; P1.B14 69.7,29.62 ; P1.B14 69.14,29.06 ; P1.B14 68.57,29.62 ; P1.B14 69.14,30.19 ; 72.38,16.93 P1.E4 ; P1.E4 72.94,17.49 ; P1.E4 73.51,16.93 ; P1.E4 72.94,16.36 ; P1.F12 74.22,27.65 ; P1.F12 74.22,26.52 ; P1.F12 73.65,27.09 ; P1.F12 74.78,27.09 ; 71.11,20.73 71.67,20.73 ; 71.67,20.73 72.24,20.73 ; 71.67,20.73 71.67,20.17 ; 71.67,20.73 71.67,21.3 ; 75.48,44.3 P1.G26 ; P1.G26 74.92,44.86 ; P1.G26 75.48,45.43 ; P1.G26 76.05,44.86 ; P1.H30 77.32,49.95 ; P1.H30 76.75,49.38 ; P1.H30 76.19,49.95 ; P1.H30 76.75,50.51 ; 76.75,57 P1.H36 ; P1.H36 76.75,58.13 ; P1.H36 76.19,57.56 ; P1.H36 77.32,57.56 ; 74.22,38.52 74.22,39.08 ; 74.22,38.52 74.78,38.52 ; 74.22,38.52 74.22,37.95 ; 74.22,38.52 73.65,38.52 ; 74.92,16.93 P1.G4 ; P1.G4 76.05,16.93 ; P1.G4 75.48,17.49 ; P1.G4 75.48,16.36 ; P1.A28 67.86,47.97 ; P1.A28 67.86,46.84 ; P1.A28 68.43,47.41 ; P1.A28 67.3,47.41 ; P1.B27 69.14,46.7 ; P1.B27 68.57,46.13 ; P1.B27 69.7,46.13 ; P1.B27 69.14,45.57 ; 67.86,38.52 68.43,38.52 ; 67.86,38.52 67.3,38.52 ; 67.86,38.52 67.86,37.95 ; 67.86,38.52 67.86,39.08 ; 74.22,15.09 74.22,15.65 ; 74.22,15.65 73.65,15.65 ; 74.22,15.65 74.22,16.22 ; 74.22,15.65 74.78,15.65 ; 76.75,15.65 76.75,16.22 ; 76.75,15.65 76.75,15.09 ; 76.75,15.65 77.32,15.65 ; 76.75,15.65 76.19,15.65 ; P1.G40 75.48,63.21 ; P1.G40 74.92,62.64 ; P1.G40 75.48,62.08 ; P1.G40 76.05,62.64 ; 69.84,28.35 P1.C13 ; P1.C13 70.97,28.35 ; P1.C13 70.41,27.79 ; P1.C13 70.41,28.92 ; 76.75,45.57 P1.H27 ; P1.H27 76.75,46.7 ; P1.H27 76.19,46.13 ; P1.H27 77.32,46.13 ; 69.98,74.6 J7.2 ; J7.2 71.31,75.93 ; J7.2 69.98,77.26 ; J7.2 68.65,75.93 ; 76.75,26.52 P1.H12 ; P1.H12 76.75,27.65 ; P1.H12 77.32,27.09 ; P1.H12 76.19,27.09 ; 69.14,35.41 69.14,35.98 ; 69.14,35.98 69.14,36.54 ; 69.14,35.98 69.7,35.98 ; 69.14,35.98 68.57,35.98 ; 76.19,23.27 76.75,23.27 ; 76.75,23.27 76.75,23.84 ; 76.75,23.27 77.32,23.27 ; 76.75,23.27 76.75,22.71 ; P1.D22 72.24,39.78 ; P1.D22 71.11,39.78 ; P1.D22 71.67,39.22 ; P1.D22 71.67,40.35 ; P1.K33 79.3,54.32 ; P1.K33 79.86,53.75 ; P1.K33 79.3,53.19 ; P1.K33 78.73,53.75